# Altium PCB Proyecto_0-Buck_Up.PcbDoc (part 3 of 5)
Units mil, origin at the board's own origin, x right, y up, seen from the top; angles counter-clockwise.
Board outline 2559.06 x 1771.65 mil, 10 copper layers (TOP, GND[1], VDD[1], Signal[1], GND[2], VDD[2], Signal[2], GND[3], VDD[3], Bottom Layer), stack 79.883 mil thick; 191 components, 257 nets, 1114 pads, 633 vias.
Unrouted connection lines stored in the file: 488.
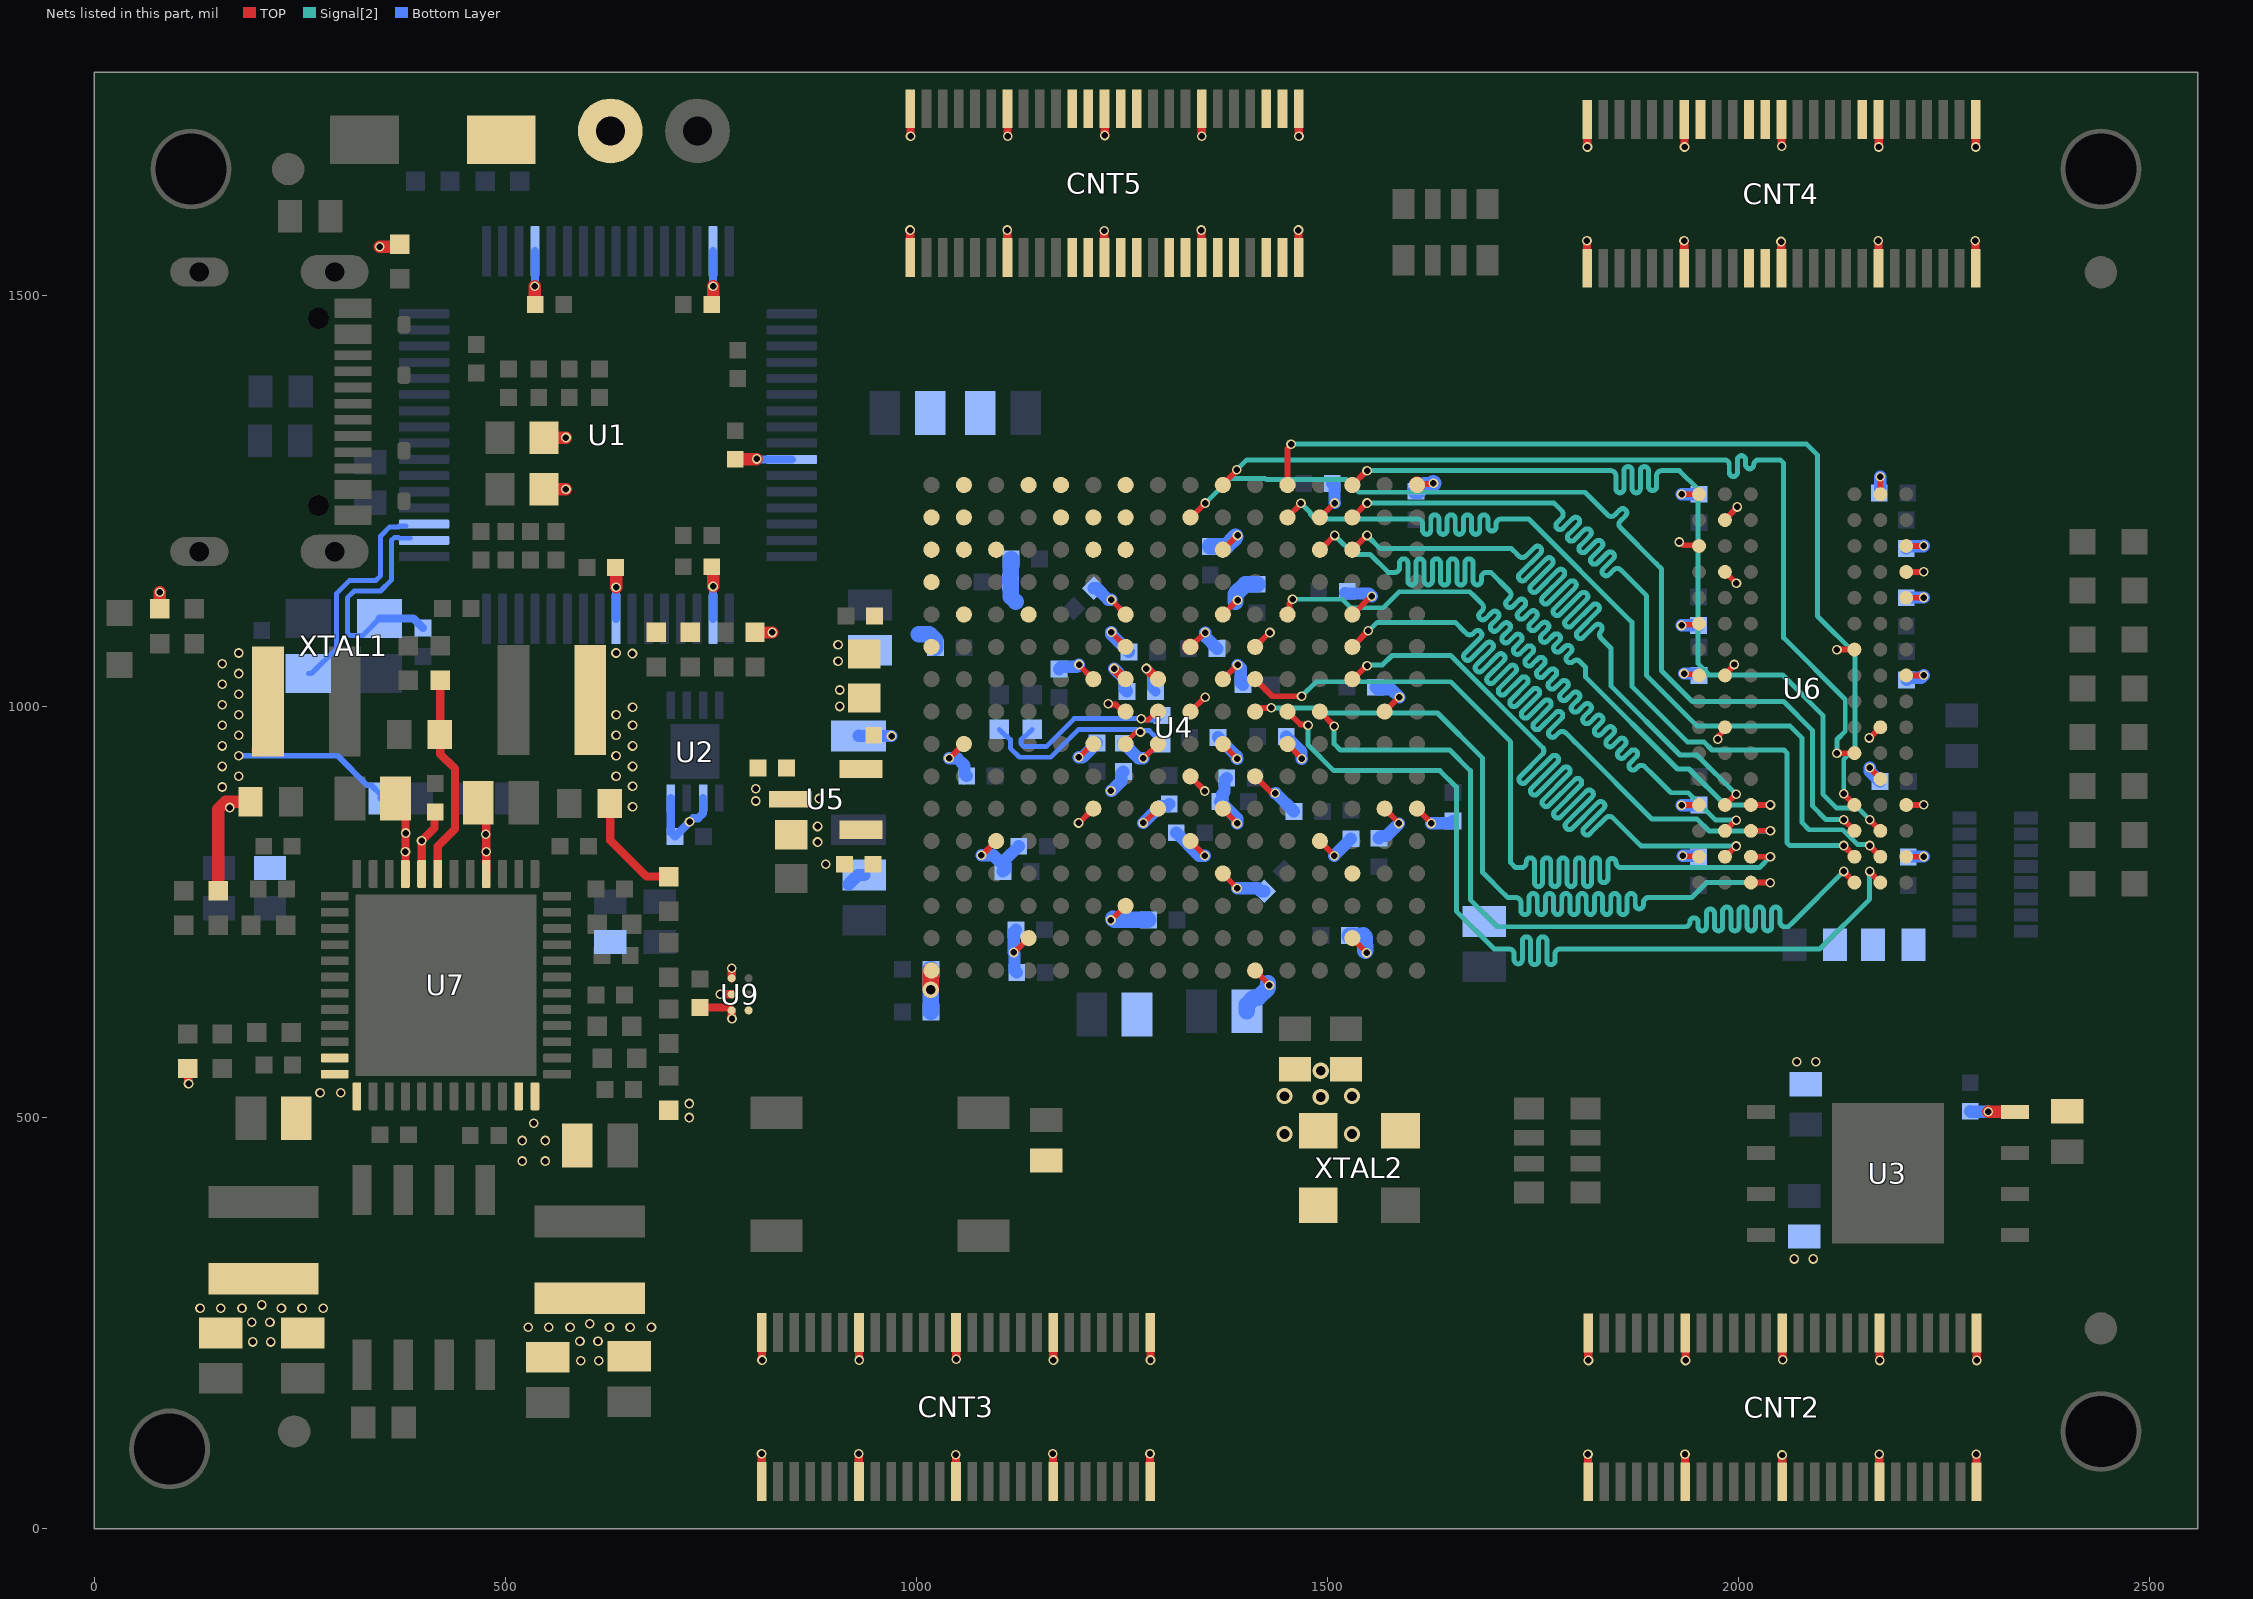
[diagram p11: the nets of this part, all layers, seen from the top]

## Part data
C1 C2 C5 C6 C12 C18 C20 C21 C22 C23 C27 C28 C29 C30 C36 C38 C39 C40 C41 C45 C46 C47 C48 C56 C57 C58 C62 C64 C65 C66 C70 C71 C72 C73 C74 C75 C76 C77 C78: library part C0402C474K8RAC, "CAP CER 0.47uF 10V X7R 0402 10%", Manufacturer=Kemet, PartNumber=C0603C474K4RAC, Tolerance=10%, Voltage="10 V", ComponentLink1Description=DataSheet, ComponentLink1URL=https://content.kemet.com/datasheets/KEM_C1002_X7R_SMD.pdf, ComponentLink2Description=DigiKey, ComponentLink2URL=https://www.digikey.com/en/products/filter/ceramic-capacitors/60?s=N4IgTCBcDaIMIAYAsCxyQdiQaQBwCUBBOEAXQF8g, ComponentLink3Description=ProductPage, ComponentLink3URL=https://www.kemet.com/en/us/product/C0805C474K4RACTU.html, Size=0402
C3 C4 C7 C8 C24 C25 C31 C32 C35 C42 C43 C49 C50 C59 C60 C67 C68: library part C0402C475M9PAC, "CAP CER 4.7uF 6.3V X5R 0402 10%", Manufacturer=Kemet, Tolerance=10%, Voltage=16V, ComponentLink1Description=DataSheet, ComponentLink1URL=https://content.kemet.com/datasheets/KEM_C1002_X7R_SMD.pdf, ComponentLink2Description=DigiKey, ComponentLink2URL=https://www.digikey.com/en/products/filter/ceramic-capacitors/60?s=N4IgTCBcDaIMIAYAsCxyQdgKwFsCcADgIYDGIAugL5A, ComponentLink3Description=ProdructPage, ComponentLink3URL=https://www.kemet.com/en/us/search.html?q=C0402C475M9PAC, PartNumber=C0402C475M9PAC, Size=0402
C9: library part C0402C332K5RAC, "CAP CER 3.3nF 50V X7R 0402 10%", Manufacturer=Kemet, Tolerance=10%, Voltage=50V, ComponentLink1Description=DataSheet, ComponentLink1URL=https://content.kemet.com/datasheets/KEM_C1002_X7R_SMD.pdf, ComponentLink2Description=DigiKey, ComponentLink2URL=https://www.digikey.com/en/products/filter/ceramic-capacitors/60?s=N4IgTCBcDaIMIAYAsCxwMzrAaQKwCUBBOEAXQF8g, PartNumber=C0402C332K5RAC, Size=0402
C10 C11 C13 C14 C15 C19 C37 C52 C54 C85 C89 C93 C96 C103 C104 C105: library part C0402C104K4RAC, "CAP CER 0.1uF 16V X7R 0402 10%", Manufactuer=Kemet, Tolerance=10%, Voltage=16V, ComponentLink1Description=DataSheet, ComponentLink1URL=https://content.kemet.com/datasheets/KEM_C1002_X7R_SMD.pdf, ComponentLink2Description=DigiKey, ComponentLink2URL=https://www.digikey.com/en/products/filter/ceramic-capacitors/60?s=N4IgTCBcDaIMIAYAsCxwIzINJIEoEE4QBdAXyA, PartNumber=C0402C104K4RAC, Size=0402
C16 C17: library part C0402C270K5RAC, "CAP CER 27pF 50V X7R 0402 10%", Manufacturer=Kemet, Tolerance=10%, Voltage=50V, ComponentLink1Description=DataSheet, ComponentLink1URL=https://content.kemet.com/datasheets/KEM_C1002_X7R_SMD.pdf, ComponentLink2Description=DigiKey, ComponentLink2URL=https://www.digikey.com/en/products/detail/kemet/C0402C270K5RACTU/18167653?s=N4IgTCBcDaIMIAYAsCxzAdgQaQKwCUBBOEAXQF8g, PartNumber=C0402C270K5RAC, Size=0402
C26 C33 C34 C44 C51 C63 C69 C86 C87 C90 C91: library part CL21A476MQYNNNE, "CAP CER 47uF 6.3V X5R 0805 20%", Manufacturer=Samsung, Tolerance=20%, Voltage=6.3V, ComponentLink1Description=DataSheet, ComponentLink1URL=https://mm.digikey.com/Volume0/opasdata/d220001/medias/docus/658/CL21A476MQYNNNE_Spec.pdf, ComponentLink2Description=DigiKey, ComponentLink2URL=https://www.digikey.com/en/products/detail/samsung-electro-mechanics/CL21A476MQYNNNE/3887510, PartNumber=CL21A476MQYNNNE, Size=0805
C53: library part C0402C106M9PAC, "CAP CER 10uF 6.3V X5R 0402 10%", Manufacturer=Kemet, Tolerance=10%, Voltage=6.3V, ComponentLink1Description=DataSheet, ComponentLink1URL=https://content.kemet.com/datasheets/KEM_C1006_X5R_SMD.pdf, ComponentLink2Description=DigiKey, ComponentLink2URL=https://www.digikey.com/en/products/filter/ceramic-capacitors/60?s=N4IgTCBcDaIMIAYAsCxwIwIGwFkCcACgIJwgC6AvkA, PartNumber=C0402C106M9PAC, Size=0402
C55: library part C0402C102K4RAC, "CAP CER 1nF 16V X7R 0402 10%", Manufactuer=Kemet, Tolerance=10%, Voltage=16V, ComponentLink1Description=DataSheet, ComponentLink1URL=https://content.kemet.com/datasheets/KEM_C1002_X7R_SMD.pdf, ComponentLink2Description=DigiKey, ComponentLink2URL=https://www.digikey.com/en/products/filter/ceramic-capacitors/60?s=N4IgTCBcDaIMIAYAsCxwIyoNJIEoEE4QBdAXyA, PartNumber=C0402C102K4RAC, Size=0402
C61: library part C1206C107M9PAC, "CAP CER 100uF 6.3V X5R 1206 20%", Manufacturer=Kemet, Tolerance=20%, Voltage=6.3V, ComponentLink1Description=DataSheet, ComponentLink1URL=https://www.digikey.com/en/products/detail/kemet/C1206C107M9PAC7210/12700784, ComponentLink2Description=DigiKey, ComponentLink2URL=https://www.digikey.com/en/products/detail/kemet/C1206C107M9PAC7210/12700784, PartNumber=C1206C107M9PAC, Size=1206
C79 C100 C101 C102: library part C0402C105K4RAC, "CAP CER 1uF 16V X7R 0402 10%", Manufacturer=Kemet, Tolerance=10%, Voltage=16V, ComponentLink1Description=DataSheet, ComponentLink1URL=https://content.kemet.com/datasheets/KEM_C1002_X7R_SMD.pdf, ComponentLink2Description=DigiKey, ComponentLink2URL=https://www.digikey.com/en/products/detail/kemet/C0402C105K4RAC7867/22058709?s=N4IgTCBcDaIMIAYAsCxwIwIKwGkkCUBBOEAXQF8g, PartNumber=C0402C105K4RAC, Size=0402
C80: library part C0402C103K4RAC, "CAP CER 10nF 16V X7R 0402 10%", Manufactuer=Kemet, Tolerance=10%, Voltage=16V, ComponentLink1Description=DataSheet, ComponentLink1URL=https://content.kemet.com/datasheets/KEM_C1002_X7R_SMD.pdf, ComponentLink2Description=DigiKey, ComponentLink2URL=https://www.digikey.com/en/products/filter/ceramic-capacitors/60?s=N4IgTCBcDaIMIAYAsCxwIwIMwGkkCUBBOEAXQF8g, PartNumber=C0402C103K4RAC, Size=0402
C81 C82 C83 C84: library part C0805C106M3PACTU, "CAP CER 10UF 25V X5R 0805 10%", Manufacturer=Kemet, Tolerance=10%, Voltage=25V, ComponentLink1Description=DataSheet, ComponentLink1URL=https://content.kemet.com/datasheets/KEM_C1006_X5R_SMD.pdf, ComponentLink2Description=DigiKey, ComponentLink2URL=https://www.digikey.com/en/products/detail/kemet/C0805C106M3PACTU/5267534, PartNumber=C0805C106M3PACTU, Size=0805
C88 C92 C95 C98: library part C0402C272K5RAC, "CAP CER 2.7nF 50V X7R 0402 10%", Manufacturer=Kemet, Tolerance=10%, Voltage=50V, ComponentLink1Description=DataSheet, ComponentLink1URL=https://content.kemet.com/datasheets/KEM_C1002_X7R_SMD.pdf, ComponentLink2Description=DigiKey, ComponentLink2URL=https://www.digikey.com/en/products/filter/ceramic-capacitors/60?s=N4IgTCBcDaIMIAYAsCxzAdjAaQKwCUBBOEAXQF8g, PartNumber=C0402C272K5RAC, Size=0402
C94 C97: library part GRM188R60J226MEA0D, "CAP CER 22UF 6.3V X5R 0603", Voltage=6.3V, ComponentLink1Description=DataSheet, ComponentLink1URL=https://search.murata.co.jp/Ceramy/image/img/A01X/G101/ENG/GRM188R60J226MEA0-01.pdf, ComponentLink2Description=DigiKey, ComponentLink2URL=https://www.digikey.com/en/products/detail/murata-electronics/GRM188R60J226MEA0D/4280542, Size=0603
C99: library part C0603C106M9PAC7867, "CAP CER 10UF 6.3V X5R 0603", Voltage=6.3V, ComponentLink1Description=DataSheet, ComponentLink1URL=https://content.kemet.com/datasheets/KEM_C1006_X5R_SMD.pdf, ComponentLink2Description=DigiKey, ComponentLink2URL=https://www.digikey.com/en/products/detail/kemet/C0603C106M9PAC7867/1950664, Size=0603
CNT1: "CONN USB2.0, TYP C, 24 PINS (16+8 DUMMY), SMD, RIGHT ANGLE", ComponentLink1Description=DigiKey, ComponentLink1URL=https://www.digikey.com/en/products/detail/amphenol-cs-commercial-products/12402012E212A/13683192, ComponentLink2Description=DataSheet, ComponentLink2URL=https://mm.digikey.com/Volume0/opasdata/d220001/medias/docus/2614/C12402012-4.pdf, Pins="24 (16+8 DUMMY)", Type="C 2.0"
CNT2 CNT3 CNT4 CNT5: "CONN RCPT 50POS SMD GOLD", Manufacturer=Molex, ComponentLink1Description=DigiKey, ComponentLink1URL=https://www.digikey.com/es/products/detail/molex/0528850574/3197085?s=N4IgTCBcDaIAQFYwA5kIAwIOwBYQF0BfIA, ComponentLink2Description=DataSheet, ComponentLink2URL=https://www.molex.com/en-us/products/part-detail/528850574?display=pdf, Gender=Female, PinCount=50
D1 D2: "0.9pF 3.6V ±30kV ESD protection diode with 6.8V 16A TLP clamping for USB 2.0", Manufacturer="Texas Instruments", Package=SOD-523, ComponentLink1Description=ProductPage, ComponentLink1URL=https://www.ti.com/product/ESD321, ComponentLink2Description=DataSheet, ComponentLink2URL=https://www.ti.com/lit/ds/symlink/esd321.pdf?ts=1717079562669&ref_url=https%253A%252F%252Fwww.ti.com%252Fproduct%252FESD321%253FkeyMatch%253DESD321%2526tisearch%253Dsearch-everything%2526usecase%253DGPN-ALT, ComponentLink3Description=DigyKey, ComponentLink3URL=https://www.digikey.com/en/products/detail/texas-instruments/ESD321DYAR/17394968, PartNumber=ESD321
D3 D4 D5 D6 D7 D8 D9 D10 D11: library part LED_BLUE_0603, "LED blue diffused 0603 SMD", Colour=Blue, ComponentLink1Description=DataSheet, ComponentLink1URL=https://www.we-online.com/components/products/datasheet/150060BS55040.pdf, ComponentLink2Description=DigiKey, ComponentLink2URL=https://www.digikey.com/es/products/detail/w%C3%BCrth-elektronik/150060BS55040/8557178?s=N4IgTCBcDaIDoBcCMBWADGgbGgQgZRXQBY0QBdAXyA, Size=0603
L1 L2 L3 L4: "FERRITE BEAD 650 OHM 0603 1LN 0603", Current="300 mA", ComponentLink1Description=DataSheet, ComponentLink1URL=https://www.laird.com/sites/default/files/hz0603c651r-10-datasheet.pdf, ComponentLink2Description=DigiKey, ComponentLink2URL=https://www.digikey.com/es/products/detail/laird-signal-integrity-products/HZ0603C651R-10/806620?s=N4IgTCBcDaIBIC0AMA2JBmAwigrARgCUBaPJEAXQF8g, DCR="0.6 Ohm", PartNumber=HZ0603C651R-10, Size=0603, Z@100MHz="650 Ohms"
L5 L8: library part XFL4020-332, "FIXED IND 3.3UH 5.2A 38.3MOHM SM", ComponentLink1Description=DigiKey, ComponentLink1URL=https://www.digikey.com/en/products/detail/coilcraft/XFL4020-332MEC/21381630?s=N4IgTCBcDaIBoDEAyAWADGNBaAzDiAugL5A, ComponentLink2Description=DataSheet, ComponentLink2URL=https://www.coilcraft.com/getmedia/50632d43-da1b-4cdb-8ab4-3029cab51df3/xfl4020.pdf, Size=1616
L6: library part XFL4020-152, "FIXED IND 1.5UH 9.1A 15.8MOHM SM", ComponentLink1Description=DigiKey, ComponentLink1URL=https://www.digikey.at/en/products/detail/coilcraft/XFL4020-152MEC/21387736, ComponentLink2Description=DataSheet, ComponentLink2URL=https://www.coilcraft.com/getmedia/50632d43-da1b-4cdb-8ab4-3029cab51df3/xfl4020.pdf, Size=1616
L7: library part XAL4030-682MEC, "FIXED IND 6.8UH 3.9A 74.1MOHM SM", ComponentLink1Description=DigiKey, ComponentLink1URL=https://www.digikey.com/en/products/detail/coilcraft/XAL4030-682MEC/21381592, ComponentLink2Description=DataSheet, ComponentLink2URL=https://www.coilcraft.com/en-us/files/datasheet/XAL40xx, Size=1616
R1 R2: library part CRCW06035K10FKEA, "RES SMD 5.1K OHM 1% 1/10W 0603", ComponentLink1Description=DataSheet, ComponentLink1URL=https://www.vishay.com/docs/20035/dcrcwe3.pdf, ComponentLink2Description=DigiKey, ComponentLink2URL=https://www.digikey.com/es/products/detail/vishay-dale/crcw06035k10fkea/1174748, Size=0603
R3 R4 R5 R6 R10 R34 R36 R39 R41 R42: library part CRCW040210K0FK, "RES SMD 10K OHM 1% 0.063W 0402", Manufacturer=Vishay, Power=0.063W, Tolerance=1%, ComponentLink1Description=DataSheet, ComponentLink1URL=https://www.vishay.com/docs/20035/dcrcwe3.pdf, ComponentLink2Description=DigiKey, ComponentLink2URL=https://www.digikey.com/en/products/filter/chip-resistor-surface-mount/52?s=N4IgTCBcDaIMICU4HUAMAWVYCMqDSqAYniALoC%20QA, PartNumber=CRCW040210K0FK, Size=0402
R7: library part CRCW060312K0FKEA, "RES SMD 12K OHM 1% 1/10W 0603", ComponentLink1Description=DataSheet, ComponentLink1URL=https://www.vishay.com/docs/20035/dcrcwe3.pdf, ComponentLink2Description=DigiKey, ComponentLink2URL=https://www.digikey.com/en/products/detail/vishay-dale/CRCW060312K0FKEA/1174790, Size=0603
R8: library part CRCW04024K70FK, "RES SMD 4.7K OHM 1% 0.063W 0402", Manufacturer=Vishay, Power="0.063 W", Tolerance=1%, ComponentLink1Description=DataSheet, ComponentLink1URL=https://www.vishay.com/docs/20035/dcrcwe3.pdf, ComponentLink2Description=DigiKey, ComponentLink2URL=https://www.digikey.com/es/products/filter/resistor-de-chip-montaje-en-superficie/52?s=N4IgTCBcDaIMICU4HUAMAWVZ0GkDsqAYjiALoC%20QA, PartNumber=CRCW04024K70FK, Size=0402
R9: library part CRCW04022K00FK, "RES SMD 2K OHM 1% 0.063W 0402", Manufacturer=Vishay, Power=0.063W, Tolerance=1%, ComponentLink1Description=DataSheet, ComponentLink1URL=https://www.vishay.com/docs/20035/dcrcwe3.pdf, ComponentLink2Description=DigiKey, ComponentLink2URL=https://www.digikey.com/en/products/filter/chip-resistor-surface-mount/52?s=N4IgTCBcDaIMYCc4HcAMAWVYwGtWoDMcQBdAXyA, PartNumber=CRCW04022K00FK, Size=0402
R11 R12 R13 R17 R18: library part CRCW06034K70FKEA, "RES SMD 4.7K OHM 1% 1/10W 0603", Manufacturer=Vishay, Power="1/10 W", ComponentLink1Description=DataSheet, ComponentLink1URL=https://www.vishay.com/docs/20035/dcrcwe3.pdf, ComponentLink2Description=DigiKey, ComponentLink2URL=https://www.digikey.com/en/products/detail/vishay-dale/CRCW06034K70FKEA/1174744, Size=0603
R14: library part CRCW0402200RFK, "RES SMD 200 OHM 1% 0.063W 0402", Manufacturer=Vishay, Power=0.063W, Tolerance=1%, ComponentLink1Description=DataSheet, ComponentLink1URL=https://www.vishay.com/docs/20035/dcrcwe3.pdf, ComponentLink2Description=DigiKey, ComponentLink2URL=https://www.digikey.com/es/products/filter/resistor-de-chip-montaje-en-superficie/52?s=N4IgTCBcDaIMICU4HUAMAWVYytQgYgNIgC6AvkA, PartNumber=CRCW0402200RFK, Size=0402
R15: library part CRCW0402165RFK, "RES SMD 165 OHM 1% 0.063W 0402", Manufacturer=Vishay, Power=0.063W, Tolerance=1%, ComponentLink1Description=DataSheet, ComponentLink1URL=https://www.vishay.com/docs/20035/dcrcwe3.pdf, ComponentLink2Description=DigiKey, ComponentLink2URL=https://www.digikey.com/es/products/filter/resistor-de-chip-montaje-en-superficie/52?s=N4IgTCBcDaIMICU4HUAMAWVYCMA2ArAgGIDSIAugL5A, PartNumber=CRCW0402165RFK, Size=0402
R16 R19: library part EXB-38V101JV, "RES ARRAY 4 RES 100 OHM 1206", ComponentLink1Description=DigiKey, ComponentLink1URL=https://www.digikey.com/en/products/detail/panasonic-electronic-components/EXB-38V101JV/256519?s=N4IgTCBcDaIKIA0BCBaAzADgGoEYAMOAUliALoC%2BQA, ComponentLink2Description=DataSheet, ComponentLink2URL=https://industrial.panasonic.com/cdbs/www-data/pdf/AOC0000/AOC0000C14.pdf, Elements=4, Size=1206
R20 R21: library part CRCW040278R7FK, "RES SMD 78.7 OHM 1% 0.063W 0402", Manufacturer=Vishay, Power=0.063W, Tolerance=1%, ComponentLink1Description=DataSheet, ComponentLink1URL=https://www.vishay.com/docs/20035/dcrcwe3.pdf, ComponentLink2Description=DigiKey, ComponentLink2URL=https://www.digikey.com/en/products/filter/chip-resistor-surface-mount/52?s=N4IgTCBcDaIMICU4HUAMAWVYDsAOB2AYgNIgC6AvkA, PartNumber=CRCW040278R7FK, Size=0402
R22 R23 R25: library part CRCW06031K00FKEA, "RES SMD 1K OHM 1% 1/10W 0603", ComponentLink1Description=DigiKey, ComponentLink1URL=https://www.digikey.com/es/products/detail/vishay-dale/CRCW06031K00FKEA/1174668, ComponentLink2Description=DataSheet, ComponentLink2URL=https://www.vishay.com/docs/20035/dcrcwe3.pdf, Size=0603
R24: library part CRCW06036K65FKEA, "RES SMD 6.65K OHM 1% 1/10W 0603", ComponentLink1Description=DataSheet, ComponentLink1URL=https://www.vishay.com/docs/20035/dcrcwe3.pdf, ComponentLink2Description=DigiKey, ComponentLink2URL=https://www.digikey.com/en/products/detail/vishay-dale/CRCW06036K65FKEA/1174762, Size=0603
R26: library part CRCW06039K31FKEA, "RES SMD 9.31K OHM 1% 1/10W 0603", ComponentLink1Description=DataSheet, ComponentLink1URL=https://www.vishay.com/docs/20035/dcrcwe3.pdf, ComponentLink2Description=DigiKey, ComponentLink2URL=https://www.digikey.com/es/products/detail/vishay-dale/CRCW06039K31FKEA/1174779, Size=0603
R27: library part CRCW060312K7FKEA, "RES SMD 12.7K OHM 1% 1/10W 0603", ComponentLink1Description=DataSheet, ComponentLink1URL=https://www.vishay.com/docs/20035/dcrcwe3.pdf, ComponentLink2Description=DigiKey, ComponentLink2URL=https://www.digikey.com/en/products/detail/vishay-dale/CRCW060312K7FKEA/1174793, Size=0603
R28 R29 R47: library part CRCW060310K0FKEA, "RES SMD 10K OHM 1% 1/10W 0603", ComponentLink1Description=DataSheet, ComponentLink1URL=https://www.vishay.com/docs/20035/dcrcwe3.pdf, ComponentLink2Description=DigiKey, ComponentLink2URL=https://www.digikey.com/en/products/detail/vishay-dale/CRCW060310K0FKEA/1174782, Size=0603
R30 R45: library part CRCW040231K6FK, "RES SMD 31.6K OHM 1% 0.063W 0402", Manufacturer=Vishay, Power=0.063W, Tolerance=1%, ComponentLink1Description=DataSheet, ComponentLink1URL=https://www.vishay.com/docs/20035/dcrcwe3.pdf, ComponentLink2Description=DigiKey, ComponentLink2URL=https://www.digikey.com/en/products/filter/chip-resistor-surface-mount/52?s=N4IgTCBcDaIMICU4HUAMAWVYDMBGA0gGwBi%20IAugL5A, PartNumber=CRCW040231K6FK, Size=0402
R31 R38: library part CRCW040210K2FK, "RES SMD 10.2K OHM 1% 0.063W 0402", Manufacturer=Vishay, Power=0.063W, Tolerance=1%, ComponentLink1Description=DataSheet, ComponentLink1URL=https://www.vishay.com/docs/20035/dcrcwe3.pdf, ComponentLink2Description=DigiKey, ComponentLink2URL=https://www.digikey.com/en/products/filter/chip-resistor-surface-mount/52?s=N4IgTCBcDaIMICU4HUAMAWVYCMqDSYAYniALoC%20QA, PartNumber=CRCW040210K2FK, Size=0402
R32: library part CRCW040215K0FK, "RES SMD 15K OHM 1% 0.063W 0402", Manufacturer=Vishay, Power=0.063W, Tolerance=1%, ComponentLink1Description=DataSheet, ComponentLink1URL=https://www.vishay.com/docs/20035/dcrcwe3.pdf, ComponentLink2Description=DigiKey, ComponentLink2URL=https://www.digikey.com/en/products/filter/chip-resistor-surface-mount/52?s=N4IgTCBcDaIMICU4HUAMAWVYCMBWA0qgGL4gC6AvkA, PartNumber=CRCW040215K0FK, Size=0402
R33: library part CRCW04022K49FK, "RES SMD 2.49K OHM 1% 0.063W 0402", Manufacturer=Vishay, Power=0.063W, Tolerance=1%, ComponentLink1Description=DataSheet, ComponentLink1URL=https://www.vishay.com/docs/20035/dcrcwe3.pdf, ComponentLink2Description=DigiKey, ComponentLink2URL=https://www.digikey.com/en/products/filter/chip-resistor-surface-mount/52?s=N4IgTCBcDaIMICU4HUAMAWVYwGl0E4AxHEAXQF8g, PartNumber=CRCW04022K49FK, Size=0402
R35: library part CRCW060347K0FKEA, "RES SMD 47K OHM 1% 1/10W 0603", ComponentLink1Description=DataSheet, ComponentLink1URL=https://www.vishay.com/docs/20035/dcrcwe3.pdf, ComponentLink2Description=DigiKey, ComponentLink2URL=https://www.digikey.com/es/products/detail/vishay-dale/CRCW060347K0FKEA/1174858, Size=0603
R37: library part CRCW040212K7FK, "RES SMD 12.7K OHM 1% 0.063W 0402", Manufacturer=Vishay, PartNumber=CRCW060312K7FK, Power=0.063W, Tolerance=1%, ComponentLink1Description=DataSheet, ComponentLink1URL=https://www.vishay.com/docs/20035/dcrcwe3.pdf, ComponentLink2Description=DigiKey, ComponentLink2URL=https://www.digikey.com/en/products/filter/chip-resistor-surface-mount/52?s=N4IgTCBcDaIMICU4HUAMAWVYCMYDSA7AGJ4gC6AvkA, Size=0402
R40: library part CRCW04026K65FK, "RES SMD 6.65K OHM 1% 0.063W 0402", Manufacturer=Vishay, Power=0.063W, Tolerance=1%, ComponentLink1Description=DataSheet, ComponentLink1URL=https://www.vishay.com/docs/20035/dcrcwe3.pdf, ComponentLink2Description=DigiKey, ComponentLink2URL=https://www.digikey.com/en/products/filter/chip-resistor-surface-mount/52?s=N4IgTCBcDaIMICU4HUAMAWVYBsBpbArAGK4gC6AvkA, PartNumber=CRCW04026K65FK, Size=0402
R43: library part CRCW04024K99FK, "RES SMD 4.99K OHM 1% 0.063W 0402", Manufacturer=Vishay, Power=0.063W, Tolerance=1%, ComponentLink1Description=DataSheet, ComponentLink1URL=https://www.vishay.com/docs/20035/dcrcwe3.pdf, ComponentLink2Description=DigiKey, ComponentLink2URL=https://www.digikey.com/en/products/filter/chip-resistor-surface-mount/52?s=N4IgTCBcDaIMICU4HUAMAWVZ0GkCceAYjiALoC%20QA, PartNumber=CRCW04024K99FK, Size=0402
R44: library part CRCW04021K91FK, "RES SMD 1.91K OHM 1% 0.063W 0402", Manufacturer=Vishay, Power=0.063W, Tolerance=1%, ComponentLink1Description=DataSheet, ComponentLink1URL=https://www.vishay.com/docs/20035/dcrcwe3.pdf, ComponentLink2Description=Digikey, ComponentLink2URL=https://www.digikey.com/en/products/filter/chip-resistor-surface-mount/52?s=N4IgTCBcDaIMICU4HUAMAWVYCMBpAnNgGK4gC6AvkA, PartNumber=CRCW04021K91FK, Size=0402
R46: library part EXB-2HV331JV, "RES ARRAY 8 RES 330 OHM 1506", ComponentLink1Description=DigiKey, ComponentLink1URL=https://www.digikey.com/en/products/detail/panasonic-electronic-components/EXB-2HV331JV/285313?s=N4IgTCBcDaIKIA0BCBaMAJAagZmwRgClMQBdAXyA, ComponentLink2Description=DataSheet, ComponentLink2URL=https://industrial.panasonic.com/cdbs/www-data/pdf/AOC0000/AOC0000C14.pdf, Elements=8, Size=1506
R48: library part CRCW0603240RFK, "RES SMD 240 OHM 1% 1/10W 0603", Manufacturer=Vishay, PartNumber=CRCW0603240RFKEA, Power=0.1W, Tolerance=1%, ComponentLink1Description=DataSheet, ComponentLink1URL=https://www.vishay.com/docs/20035/dcrcwe3.pdf, ComponentLink2Description=DigiKey, ComponentLink2URL=https://www.digikey.com/en/products/detail/vishay-dale/CRCW0603240RFKEA/1174595, Size=0603
S1: "Diode schottky 40V 3A", Forward Current=3A, Forward Voltage Drop=0.63, Manufacturer="SMC Diode Solutions", Package=SMA-2, Peak Reverse Voltage=40V, ComponentLink1Description=DigiKey, ComponentLink1URL=https://www.digikey.com/en/products/detail/smc-diode-solutions/SK34A/6022681, ComponentLink2Description=DataSheet, ComponentLink2URL=https://www.smc-diodes.com/propdf/SK34A%20N0103%20REV.C.pdf, PartNumber=SK34A
S2: "SWITCH TACTILE SPST-NO 0.05A 12V", DataSheet=https://www.ckswitches.com/media/2780/pts526.pdf, DigiKey=https://www.digikey.com/es/products/detail/c-k/PTS526-SK15-SMTR2-LFS/10056626
S3: "PTC resettable fuse 500mA, 8V, 0603", Manufacturer=Eaton, MaxCurrent=25A, MaxVoltage=8V, ComponentLink1Description=DataSheet, ComponentLink1URL=https://www.eaton.com/content/dam/eaton/products/electronic-components/resources/data-sheet/eaton-ptslr0603-surface-mount-resettable-fuse-data-sheet-elx1047-en.pdf, ComponentLink2Description=DigiKey, ComponentLink2URL=https://www.digikey.com/es/products/detail/eaton-electronics-division/PTSLR06038V050/15193495?s=N4IgTCBcDaIAoBUDKAZASgBgGwYMwA4A1DAVgxAF0BfIA, Ihold=500mA, Itrip=1A, PartNumber=PTSLR06038V050, Size=0603
U1: "Dual High Speed USB to Multipurpose UART/FIFO IC", Manufacturer="FTDI Chip", Package=LQFP-64, ComponentLink1Description=DataSheet, ComponentLink1URL=https://ftdichip.com/wp-content/uploads/2020/07/DS_FT2232H.pdf, ComponentLink2Description=DigiKey, ComponentLink2URL=https://www.digikey.com/en/products/detail/ftdi-future-technology-devices-international-ltd/FT2232HL-REEL/1986053, PartNumber=FT2232HL
U2: library part EEPROM, "2K Microwire Compatible Serial EEPROM", ComponentLink1Description=DataSheet, ComponentLink1URL=https://www.snapeda.com/parts/93C56BT-I/MC/Microchip/datasheet/
U3: "QSPINAND 4G-BIT FLASH MEMORY WITH DUAL/QUAD SPI BUFFER READ & SEQUENTIAL READ", ComponentLink1Description="Product Brief", ComponentLink1URL=https://www.winbond.com/hq/product/code-storage-flash-memory/qspinand-flash/?__locale=en&partNo=W25N04KV
U4: "FPGA"
U5: "Voltage Reference 1,5V", ComponentLink1Description=DataSheet, ComponentLink1URL=https://www.ti.com/lit/ds/symlink/ref3012.pdf?ts=1708128926119
U6: library part "DDR3 AS4C256M16D3LC", "256M x 16 bit DDR3L Synchronous DRAM (SDRAM)", ComponentLink1Description=DataSheet, ComponentLink1URL=https://www.alliancememory.com/wp-content/uploads/pdf/ddr3/AllianceMemory_4G_DDR3L_AS4C256M16D3LC_March2020_Rev1.0.pdf
U7: "5-Channel Integrated Power Solution with Quad / Buck Regulators and 200 mA LDO Regulator", ComponentLink1Description=DataSheet, ComponentLink1URL=https://www.analog.com/media/en/technical-documentation/data-sheets/adp5052.pdf
U8: "MOSFET 2N-CH 40V 6A 8SOIC"
U9: "Power Supply Selector Switch IC for SD Cards", Manufacturer=ROHM, Package=UFBGA-6, ComponentLink1Description=Productrpage, ComponentLink1URL=https://www.rohm.com/products/power-management/power-management-switch-ics/load-switch-ics/bd2204gul-product, ComponentLink2Description=DataSheet, ComponentLink2URL=https://fscdn.rohm.com/en/products/databook/datasheet/ic/power/power_switch/bd2204gul-e.pdf, ComponentLink3Description=DigiKey, ComponentLink3URL=https://www.digikey.com/en/products/detail/rohm-semiconductor/BD2204GUL-E2/5210337, PartNumber=BD2204GUL
XTAL1: library part XTAL_12MHz, "Crystal 12 MHz", Manufacturer=Abracom, ComponentLink1Description=DataDheet, ComponentLink1URL=https://www.snapeda.com/parts/ABM8G-16.000MHZ-B4Y-T/Abracon/datasheet/, Frequency="12 MHz", Series=ABM8G
XTAL2: library part XTAL_100MHz, "Crystal 100 MHz", Frequency="100 MHz", Manufacturer=Abracom, ComponentLink1Description=DataSheet, ComponentLink1URL=https://www.snapeda.com/parts/ASFLMB-100.000MHZ-LC-T/Abracon/datasheet/

## Free pads (board coordinates)
  round 39.37 all layers, no hole paste+0 mask+3.94: F(236.22,1653.54) F(243.54,118.11) F(2440.94,243.54) F(2440.94,1528.11)
  round 98.43 hole 86.61 mask+0: H(92,97) H(118.11,1653.54) H(2440.94,118.11) H(2440.94,1653.54)
  round 78.74 hole 35.43 mask+0: Supply+(628,1700) Supply+(734,1700)

## Via types
v1: diameter 11.81, hole 7.87, TOP to Bottom Layer, 618 vias
v2: diameter 19.68, hole 11.81, TOP to Bottom Layer, 15 vias

## Nets (pads, with @x,y where several pads share a name; then routed paths per layer and width w, separated by ;. In a path a pad name is that pad's centre, name@x,y a point inside that pad or via, vN(x,y) a via of type N, cw(c..) or ccw(c..) an arc to the next point about the centre after c; other vN are vias at no path point)
0V75: C79.2 C80.2 R22.1 R23.2 U6.H1 U6.M8 | length 79.3
  TOP w7: v1(1934,1040) 1934.92,1039.08 1950.83,1039.08 U6.H1@1952.22,1037.68 ; v1(2159.69,925.32) 2159.69,925.01 2172.7,912.01 U6.M8@2172.7,911.7
  Bottom Layer w15: v1(1934,1040) 1949.91,1040 C80.2@1952.22,1037.68 ; v1(2159.69,925.32) 2159.69,921.36 C79.2@2172.37,908.67
12MHz_XTAL_N: C17.2 U1.2 XTAL1.3 | length 284.7
  Bottom Layer w6: XTAL1.3@347.27,1106.91 326.65,1086.29 311.67,1086.29 308.16,1089.81 308.16,1132.16 316.38,1140.38 348.39,1140.38 361.67,1153.65 361.67,1201.87 365.18,1205.39 370.15,1205.39 370.99,1204.56 U1.2@384.93,1204.56
  Bottom Layer w10: XTAL1.3@347.27,1106.91 388.41,1106.91 C17.2@400,1095.32
12MHz_XTAL_P: C16.2 U1.3 XTAL1.1 | length 260.6
  Bottom Layer w6: XTAL1.1@260.66,1039.98 264.6,1039.98 295.16,1070.54 295.16,1137.54 310.99,1153.38 343.01,1153.38 348.67,1159.04 348.67,1207.26 359.8,1218.39 370.15,1218.39 370.99,1219.22 U1.3@379.54,1219.22
100MHz: CNT4.43 U4.N14 XTAL2.3
+1V: C56.2 C57.2 C58.2 C59.2 C60.2 C61.2 C62.2 C63.2 C90.2 C91.2 L6.2 R25.2 R33.2 U4.E10 U4.F7 U4.F9 U4.F11 U4.G6 U4.H9 U4.J6 U4.K9 U4.L8 | length 476.4
  TOP w7: v1@1198.03,938.05 U4.J6@1215.41,955.43 ; v1@1198.09,1050.49 U4.G6@1215.46,1033.12 ; v1@1237.46,1090.06 U4.F7@1254.83,1072.68 ; v1@1276.63,858.26 U4.L8@1294.01,875.63 ; U4.K9@1333.57,914.81 v1@1350.95,897.43 ; U4.H9@1333.77,993.74 v1@1351.15,1011.12 ; U4.F9@1333.77,1072.49 v1@1351.15,1089.86 ; U4.E10@1373.14,1111.86 v1@1390.52,1129.23 ; U4.F11@1412.51,1072.49 v1@1429.89,1089.86
  TOP w10: R33.2@114,559.62 114.65,558.96 114.65,541.35 v1(115,541)
  Bottom Layer w15: C61.2@930,964.17 930.17,964 v1(970,964) ; C59.2@1173.73,1045.34 1176.47,1048.08 1195.28,1048.08 v1(1198.09,1050.88) ; v1(1197.64,938.05) 1202.12,938.05 C60.2@1219.73,955.67 ; v1(1237.46,1090.45) 1237.46,1087.62 C57.2@1258.73,1066.34 ; v1(1276.24,858.26) 1296.59,878.61 1304.99,878.61 C58.2@1307.73,881.34 ; v1(1351.54,1089.86) 1351.54,1084.86 C56.2@1366.05,1070.34
  Bottom Layer w20: v1@1388.42,1127.42 1388.42,1136.71 1400.13,1148.43 1414.49,1148.43 C62.2@1414.73,1148.67
  other v1: 193,227 215,227 192,251 214,251 129,268 154,268 180,268 228,268 253,268 279,268 204,272 1350.95,897.04 1351.54,1011.12 1430.28,1089.86 1390.91,1129.23
+1V8: C64.2 C65.2 C66.2 C67.2 C68.2 C69.2 C94.2 C101.2 CNT4.14 CNT4.15 CNT4.33 L7.2 R26.2 R37.2 U4.G10 U4.J10 U4.K11 U4.L10 U7.8 U9.A2 | length 546.3
  TOP w7: U4.L10@1372.94,875.44 v1@1390.32,858.06 ; U4.J10@1372.94,954.18 v1@1390.32,936.8 ; U4.G10@1373.14,1033.12 v1@1390.52,1050.49 ; U4.K11@1412.31,914.81 1431.86,895.26 1435.81,895.26 v1(1436.73,894.34)
  TOP w10: v1(398.36,836.53) 414.13,852.3 414.13,870.81 C101.2@415,871.68 ; U7.8@398.47,796.24 398.74,796.5 v1@398.74,836.53 ; L7.2@603.65,960.36 L7.2@603.65,1008 ; C94.2@627.21,882 628,881.21 628,837 672,793 R37.2@699,793 ; v1(761.86,649.86) U9.A2@775.56,649.86
  Bottom Layer w15: C68.2@1367.05,962.34 1389.98,939.42 1389.98,936.76 v1(1390.32,936.41) ; C65.2@1377.68,913 1374.94,910.26 1374.94,895.87 1372.47,893.39 1372.47,887.08 C64.2@1369.73,884.34 1390.32,863.75 v1(1390.32,857.67) ; v1(1390.91,1050.49) 1394.67,1046.73 1394.67,1029.08 C66.2@1397.41,1026.34 ; v1(1436.73,894.34) 1437.41,894.34 C67.2@1459.41,872.34
  other v1: 655,878 655,903 635,915 655,927 635,940 655,952 635,965 655,977 635,990 655,999 654.85,1064.37 635,1065
+1V8': C35.2 C99.2 L3.1 R43.2 U7.7 | length 251.5
  TOP w10: U7.7@418.16,796.24 418.16,830.16 439,851 439,924.31 421,942.31 421,966 R43.2@421,1031.62
  other v1: 905.02,1055 905.02,1075
+1V8_VCC_ADC: C36.2 C37.2 L3.2 U4.G8 | length 51.8
  TOP w12: v1(1280.09,1046.08) 1291.12,1035.05 1292.27,1035.05 U4.G8@1294.2,1033.12
  Bottom Layer w12: v1(1280.09,1046.08) 1286.82,1039.36 1286.82,1022.58 C37.2@1291.05,1018.34
  other v1: 907.02,1000 907.02,1020
+1V25_VREF_ADC: C53.2 C54.2 CNT4.37 U4.J8 U5.2 | length 56.4
  TOP w7: v1@1276.63,937 U4.J8@1294.01,954.37
  Bottom Layer w15: C54.2@1252,955.32 1270.33,937 v1(1276.24,937)
+1V35: C38.2 C39.2 C40.2 C41.2 C42.2 C43.2 C44.2 C70.2 C71.2 C72.2 C73.2 C74.2 C75.2 C76.2 C77.2 C78.2 C97.2 L8.2 R22.2 R24.2 R40.2 U4.A16 U4.B13 U4.C10 U4.E14 U4.H15 U4.J12 U6.A1 U6.A8 U6.B2 U6.C1 U6.C9 U6.D2 U6.D9 U6.E9 U6.F1 U6.G7 U6.H2 U6.H9 U6.K2 U6.K8 U6.N1 U6.N9 U6.R1 U6.R9 | length 1315.6
  TOP w7: U4.C10@1373.14,1190.6 v1@1390.52,1207.97 ; U4.J12@1451.68,954.18 v1@1469.06,936.8 ; U4.B13@1491.25,1229.97 v1@1508.63,1247.34 ; U4.E14@1530.62,1111.86 1531.14,1111.86 1553.28,1134 v1(1554,1134) ; U4.H15@1569.79,993.74 1569.99,993.74 v1@1587.37,1011.12 ; U4.A16@1609.16,1269.34 1610.31,1270.49 1628.24,1270.49 v1(1629.16,1271.41) ; v1(1928,1200) 1929.3,1200 1933.26,1196.04 1951.34,1196.04 U6.C1@1952.22,1195.16 ; v1(1930.94,879.96) 1931.18,880.2 U6.N1@1952.22,880.2 ; v1(1930.94,1098.55) 1931.86,1099.47 1951.02,1099.47 U6.F1@1952.22,1100.67 ; v1(1930.94,1257.91) 1931.18,1258.15 U6.A1@1952.22,1258.15 ; v1(1932.2,818.22) 1932.71,817.72 1951.72,817.72 U6.R1@1952.22,817.21 ; v1(1974.94,959.94) 1975.86,960.86 1975.86,964.14 1983.72,972 U6.K2@1983.72,974.69 ; U6.H2@1983.72,1037.68 1983.72,1038.7 1995,1049.98 v1(1995,1051) ; U6.D2@1983.72,1163.67 v1(1997.7,1149.67) ; U6.B2@1983.72,1226.66 1983.72,1227.18 1998.7,1242.15 v1(1998.7,1242.67) ; v1(2119.92,1068.93) 2120.16,1069.18 U6.G7@2141.2,1069.18 ; v1(2159.38,961.68) 2159.69,961.68 U6.K8@2172.7,974.69 U6.K8@2173.01,974.69 ; v1(2172.45,1279.44) 2172.7,1279.19 U6.A8@2172.7,1258.15 ; U6.R9@2204.19,817.21 2225.23,817.21 v1(2225.48,817.45) ; U6.N9@2204.19,880.2 2225.23,880.2 v1(2225.48,880.44) ; U6.H9@2204.19,1037.68 2225.23,1037.68 v1(2225.48,1037.93) ; U6.E9@2204.19,1132.17 2225.23,1132.17 v1(2225.48,1132.41) ; U6.D9@2204.19,1163.67 2225.23,1163.67 v1(2225.48,1163.91) ; U6.C9@2204.19,1195.16 2225.23,1195.16 v1(2225.48,1195.41)
  TOP w15: R40.2@151,776 151,875 160,884 C97.2@190.39,884 ; L8.2@199.18,946.83 199.9,946.83 211.69,958.62 L8.2@211.69,1006.26
  TOP w20: U4.A16@1609.16,1269.38 U4.A16@1609.16,1269.34
  Bottom Layer w7: v1(176,940) 296.39,940 332.21,904.19 337.13,904.19 348.39,892.92 R24.2@348.39,888
  Bottom Layer w15: C39.2@1450.05,963.34 1468.72,944.68 1468.72,936.76 v1(1469.06,936.41) ; C42.2@1506.05,1271.34 1508.79,1268.61 1508.79,1247.57 v1(1509.02,1247.34) ; C40.2@1521.59,1138 1522.32,1137.26 1550.74,1137.26 v1(1554,1134) ; C38.2@1558.73,1023.34 1561.47,1020.61 1578.27,1020.61 v1(1587.76,1011.12) ; v1(1930.94,879.96) 1951.98,879.96 C70.2@1952.22,880.2 ; v1(1930.94,1098.55) 1951.49,1098.55 C77.2@1951.7,1098.35 ; v1(1930.94,1257.91) 1951.98,1257.91 C73.2@1952.22,1258.15 ; v1(1932.2,818.22) 1950.47,818.22 C75.2@1951.7,817 ; C76.2@2172.45,1258.4 v1(2172.45,1279.44) ; C71.2@2204.19,1192.01 2206.93,1194.75 2224.82,1194.75 v1(2225.48,1195.41) ; C78.2@2204.44,1132.41 v1(2225.48,1132.41) ; C74.2@2204.7,1032.35 2207.43,1035.09 2222.64,1035.09 v1(2225.48,1037.93) ; C72.2@2206.7,817 2207.15,817.45 v1(2225.48,817.45)
  Bottom Layer w20: C43.2@1357.73,1194.67 1357.97,1194.9 1377.16,1194.9 v1@1388.42,1206.16 ; C41.2@1607.73,1261.67 1607.97,1261.9 1610.29,1261.9 1617.73,1269.34 1627.1,1269.34 v1(1629.16,1271.41)
  other v1: 165,877 156,902 176,915 156,927 156,952 176,965 156,977 176,990 156,1002 176,1015 156,1027 176,1040 156,1052 176,1065 1390.91,1207.97
+3V3: C10.2 C11.2 C15.2 C18.2 C19.2 C20.2 C21.2 C22.2 C23.2 C24.2 C25.2 C26.2 C27.2 C28.2 C29.2 C30.2 C31.2 C32.2 C33.2 C34.2 C52.2 C86.2 C87.2 C103.1 C104.2 C105.2 CNT2.7 CNT2.13 CNT2.19 CNT2.25 CNT2.26 CNT2.32 CNT2.38 CNT2.44 CNT3.7 CNT3.13 CNT3.19 CNT3.25 CNT3.26 CNT3.32 CNT3.38 CNT3.44 CNT4.7 CNT4.13 CNT4.19 CNT4.25 CNT4.26 CNT4.32 CNT4.38 CNT4.44 CNT5.7 CNT5.13 CNT5.19 CNT5.25 CNT5.26 CNT5.32 CNT5.38 CNT5.44 L1.1 L2.1 L5.2 R3.1 R4.2 R5.2 R6.2 R11.1 R12.1 R13.1 R14.2 R17.1 R18.1 R30.2 R47.2 U1.20 U1.31 U1.42 U1.50 U1.56 U2.6 U2.8 U3.8 U4.E4 U4.E7 U4.F1 U4.J2 U4.L6 U4.L15 U4.L16 U4.M9 U4.M13 U4.N10 U4.P7 U4.R14 U4.T11 U5.1 U9.A1 U9.A3 XTAL2.1 XTAL2.4 | length 2467.2
  TOP w7: v1@1040.41,937 U4.J2@1057.79,954.37 ; v1@1197.89,858.26 U4.L6@1215.27,875.63 ; v1@1237.26,740.15 U4.P7@1254.64,757.52 ; v1@1237.46,1129.43 U4.E7@1254.83,1112.05 ; U4.M9@1333.57,836.07 v1@1350.95,818.69 ; U4.N10@1372.94,796.7 v1@1390.32,779.32 ; U4.T11@1412.31,678.59 v1@1429.69,661.21 ; U4.M13@1491.05,836.07 v1@1508.43,818.69 ; U4.R14@1530.42,717.96 v1@1547.8,700.58 ; U4.L15@1569.79,875.44 v1@1587.17,858.06 ; U4.L16@1609.16,875.44 v1@1626.54,858.06
  TOP w10: C103.1@737,633.68 772.16,633.68 U9.A1@775.56,630.27 775.56,620.44 v1(776,620) ; U9.A3@775.56,669.45 v1(775.56,681.44) ; C104.2@780,1300.68 C104.2@780.16,1300.84 ; v1(930.06,91) 930.21,90.84 930.21,57.61 CNT3.44@930.37,57.45 ; CNT3.7@930.37,238.55 930.53,238.39 930.53,205.16 v1(930.69,205) ; v1(992.52,1579.45) 992.68,1579.29 992.68,1546.06 CNT5.25@992.83,1545.9 ; CNT5.26@992.83,1727 992.99,1726.84 992.99,1693.61 v1(993.15,1693.45) ; v1(1048.06,90) 1048.27,89.79 1048.27,57.66 CNT3.38@1048.48,57.45 ; CNT3.13@1048.48,238.55 1048.69,238.34 1048.69,206.21 v1(1048.91,206) ; v1(1110.63,1579.45) 1110.79,1579.29 1110.79,1546.06 CNT5.19@1110.94,1545.9 ; CNT5.32@1110.94,1727 1111.1,1726.84 1111.1,1693.61 v1(1111.26,1693.45) ; v1(1166.28,91) 1166.43,90.84 1166.43,57.61 CNT3.32@1166.59,57.45 ; CNT3.19@1166.59,238.55 1166.75,238.39 1166.75,205.16 v1(1166.91,205) ; v1(1228.63,1578.45) 1228.84,1578.24 1228.84,1546.11 CNT5.13@1229.06,1545.9 ; CNT5.38@1229.06,1727 1229.27,1726.79 1229.27,1694.66 v1(1229.48,1694.45) ; v1(1284.39,91) 1284.54,90.84 1284.54,57.61 CNT3.26@1284.7,57.45 ; CNT3.25@1284.7,238.55 1284.86,238.39 1284.86,205.16 v1(1285.02,205) ; v1(1346.85,1579.45) 1347.01,1579.29 1347.01,1546.06 CNT5.7@1347.17,1545.9 ; CNT5.44@1347.17,1727 1347.32,1726.84 1347.32,1693.61 v1(1347.48,1693.45) ; v1(1815.83,1566.45) 1815.99,1566.29 1815.99,1533.06 CNT4.25@1816.15,1532.9 ; CNT4.26@1816.15,1714 1816.31,1713.84 1816.31,1680.61 v1(1816.46,1680.45) ; v1(1933.94,1566.45) 1934.1,1566.29 1934.1,1533.06 CNT4.19@1934.26,1532.9 ; CNT4.32@1934.26,1714 1934.42,1713.84 1934.42,1680.61 v1(1934.57,1680.45) ; v1(1935.11,90.55) 1935.27,90.39 1935.27,57.16 CNT2.44@1935.43,57 ; CNT2.7@1935.43,238.1 1935.58,237.94 1935.58,204.71 v1(1935.74,204.55) ; v1(2051.94,1565.45) 2052.16,1565.24 2052.16,1533.11 CNT4.13@2052.37,1532.9 ; CNT4.38@2052.37,1714 2052.58,1713.79 2052.58,1681.66 v1(2052.8,1681.45) ; v1(2053.11,89.55) 2053.32,89.34 2053.32,57.21 CNT2.38@2053.54,57 ; CNT2.13@2053.54,238.1 2053.75,237.89 2053.75,205.76 v1(2053.96,205.55) ; v1(2170.17,1566.45) 2170.32,1566.29 2170.32,1533.06 CNT4.7@2170.48,1532.9 ; CNT4.44@2170.48,1714 2170.64,1713.84 2170.64,1680.61 v1(2170.8,1680.45) ; v1(2171.33,90.55) 2171.49,90.39 2171.49,57.16 CNT2.32@2171.65,57 ; CNT2.19@2171.65,238.1 2171.8,237.94 2171.8,204.71 v1(2171.96,204.55) ; v1(2289.44,90.55) 2289.6,90.39 2289.6,57.16 CNT2.26@2289.76,57 ; CNT2.25@2289.76,238.1 2289.91,237.94 2289.91,204.71 v1(2290.07,204.55)